# Altium PCB STM32_LQFP64_DEVELOPMENT_BOARD.PcbDoc
Units mil, origin at the board's own origin, x right, y up, seen from the top; angles counter-clockwise.
Board outline 3740.16 x 2362.2 mil, 2 copper layers (Top Layer, Bottom Layer); 60 components, 76 nets, 270 pads, 20 vias.
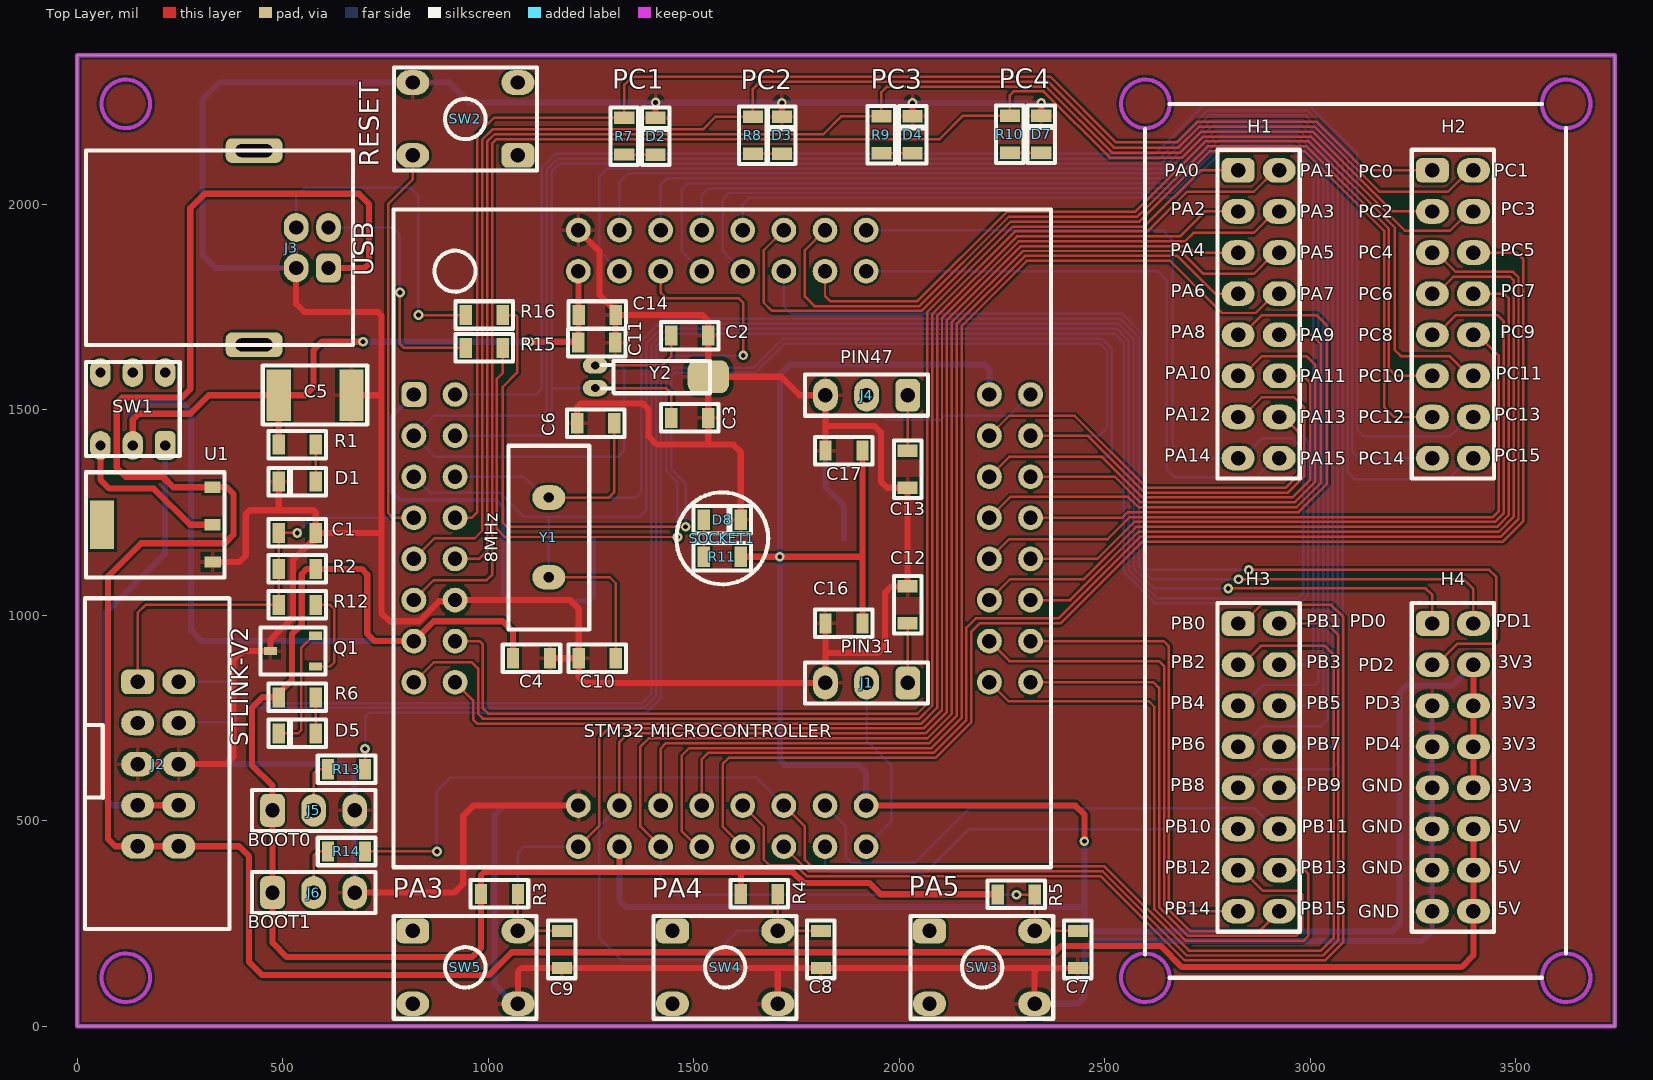
[diagram p0: Top Layer view]
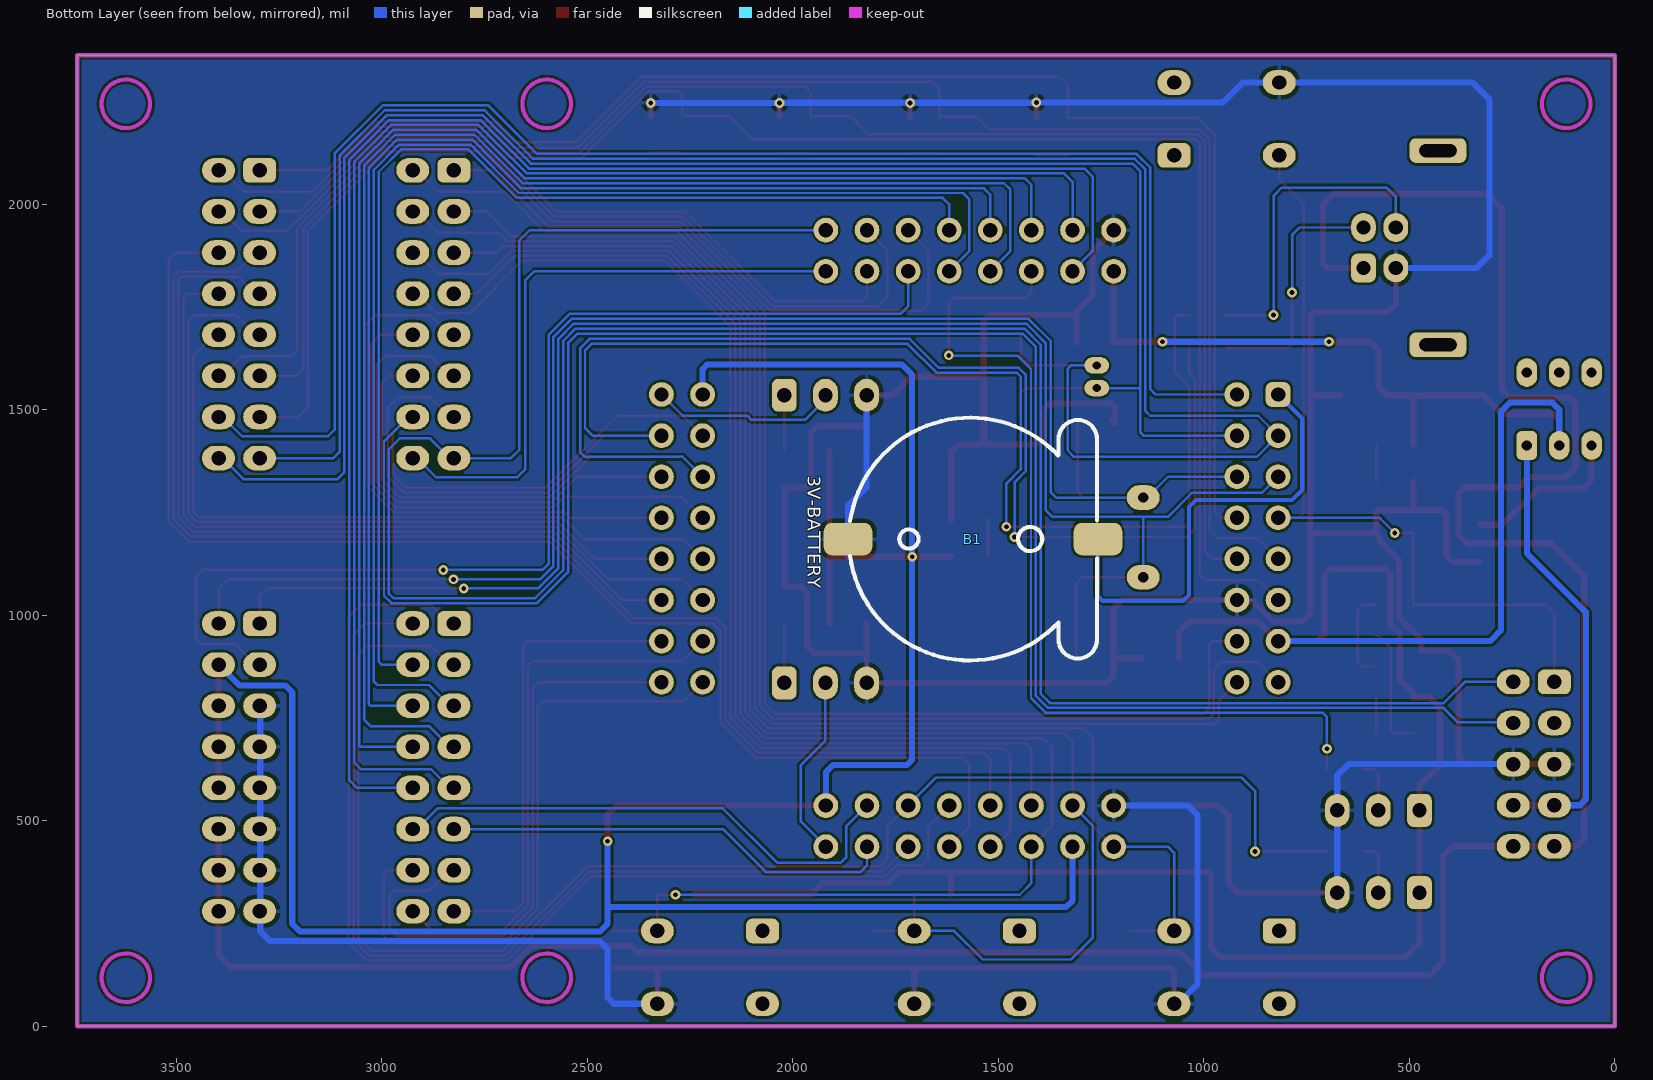
[diagram p1: Bottom Layer view, seen from below]

## Layer stack, top to bottom
Top Solder: solder mask 0.4, Solder Resist, Dk 3.5
Top Layer: signal copper 1.4
Dielectric 1: dielectric 12.6, FR-4, Dk 4.8
Bottom Layer: signal copper 1.4
Bottom Solder: solder mask 0.4, Solder Resist, Dk 3.5

## Board outline
0,0 0,2362.2 3740.16,2362.2 3740.16,0

## Design rules (kind name [scope] priority, off if disabled: settings)
Clearance [All] p1: gap=5.91 ignorepadtopadclearanceinfootprint=FALSE
PolygonConnect [All] p1: connectstyle=Relief reliefconductorwidth=10 reliefentries=4 polygonreliefangle="90 Angle" airgapwidth=10
RoutingVias [All] p1: holewidth=11.81 width=23.62 viastyle="Through Hole" minholewidth=11.81 minwidth=23.62 maxholewidth=11.81 maxwidth=23.62
SolderMaskExpansion [All] p1: expansion=4 istentingtop=FALSE
Width [All] p1: maxlimit=15 minlimit=6 preferedwidth=6
30 further rules are at their usual default settings.

## Components (designator, comment, footprint, x,y, rotation, side; value= is the part's Value field where it differs from the comment)
B1 "3V-BATTERY" CR1220 1568.02,1185.28 r90 bottom
C1 "104" C0805 535.02,1200.28 r180 top
C2 "22p" C0805 1490.02,1680.28 r0 top
C3 "22p" C0805 1490.02,1480.28 r0 top
C4 "104" C0805 1105.02,895.28 r180 top
C5 "104" C1812 578.6,1535.28 r180 top
C6 "22p" C0805 1261.04,1467.11 r0 top
C7 "104" C0805 2434,187 r270 top
C8 "104" C0805 1809,187 r270 top
C9 "104" C0805 1179,187 r270 top
C10 "22p" C0805 1265.02,895.28 r0 top
C11 "104" C0805 1264.02,1663.28 r0 top
C12 "104" C0805 2020.02,1025.28 r270 top
C13 "104" C0805 2020.02,1355.28 r90 top
C14 "104" C0805 1265.02,1730.28 r180 top
C16 "104" C0805 1865.02,980.28 r0 top
C17 "104" C0805 1865.02,1400.28 r0 top
D1 "LED0805" L0805RED 535,1325 r180 top
D2 "PC1" L0805RED 1407.04,2165.11 r90 top
D3 "PC2" L0805RED 1714.02,2167.28 r90 top
D4 "PC3" L0805RED 2032.04,2169.11 r90 top
D5 "RESET" L0805RED 535.02,712.78 r180 top
D7 "PC4" L0805RED 2345.04,2170.11 r90 top
D8 "LED0805" L0805RED 1569.02,1232.28 r0 top
H1 "HEADER-MALE-DOUBLE" HEADER-MALE-DOUBLE-16PINS-2.54MM 2874.01,1732.28 r0 top
H2 "HEADER-MALE-DOUBLE" HEADER-MALE-DOUBLE-16PINS-2.54MM 3346.46,1732.28 r0 top
H3 "HEADER-MALE-DOUBLE" HEADER-MALE-DOUBLE-16PINS-2.54MM 2874.01,629.92 r0 top
H4 "HEADER-MALE-DOUBLE" HEADER-MALE-DOUBLE-16PINS-2.54MM 3346.46,629.92 r0 top
J1 "PIN31" HEADER-MALE-03PINS-2.54MM 2020.02,835.28 r180 top
J2 "STLINK-V2" IDC_CONNECTOR_10x2.54 196.85,637.8 r0 top
J3 "USB" USB-B-TYPE 571.75,1894.06 r0 top
J4 "PIN47" HEADER-MALE-03PINS-2.54MM 2020.02,1535.28 r180 top
J5 "BOOT0" HEADER-MALE-03PINS-2.54MM 475.02,525.28 r0 top
J6 "BOOT1" HEADER-MALE-03PINS-2.54MM 475.02,325.28 r0 top
Q1 "2N3906" SOT23-3 524.9,912.69 r90 top
R1 "10k" R0805 535,1415 r180 top
R2 "10k" R0805 535.02,1112.78 r180 top
R3 "10k" R0805 1026.97,322 r0 top
R4 "10k" R0805 1659,322 r0 top
R5 "10k" R0805 2284.04,321.11 r0 top
R6 "10k" R0805 535.02,800.28 r180 top
R7 "10k" R0805 1330.69,2165.64 r90 top
R8 "10k" R0805 1643.36,2167.64 r90 top
R9 "10k" R0805 1956.04,2168.64 r90 top
R10 "10k" R0805 2268.71,2170.11 r90 top
R11 "10k" R0805 1569.02,1142.28 r0 top
R12 "10k" R0805 535.02,1025.28 r0 top
R13 "10k" R0805 655.02,625.28 r0 top
R14 "10k" R0805 655.02,425.28 r0 top
R15 "10k" R0805 990.02,1650.28 r180 top
R16 "10k" R0805 990.02,1730.28 r180 top
SOCKET1 "STM32 MICROCONTROLLER" SOCKET-ADAPTER-OTQ-64-05-03 1569,1187 r0 top
SW1 "SWITCH" "SWITCH 5.8x5.8 6 PINS" 135.02,1501.7 r180 top
SW2 "RESET" BUTTON_HOLE_4.3mm 944.02,2207.28 r270 top
SW3 "PA5" BUTTON_HOLE_4.3mm 2201.05,143.42 r90 top
SW4 "PA4" BUTTON_HOLE_4.3mm 1576.05,143.42 r90 top
SW5 "PA3" BUTTON_HOLE_4.3mm 944.02,143.42 r90 top
U1 "3V3" SOT223-3 192.87,1220 r90 top
Y1 "8MHz" HC-49_THROUGH 1147.02,1188.84 r270 top
Y2 "32.768" DT-26 1260.02,1580.28 r180 top

## Footprints (in the part's own frame and the unit in brackets; to place one, negate y for a bottom-side part, rotate by r counter-clockwise, add the part's x,y. Pads: shape width x height; smd on the part's side, far side on the other; paste and mask are expansions set on the pad)
BUTTON_HOLE_4.3mm [mil]
  rrect50% 60x80 hole 35: 1(88.58,127.95)
  oval 60x80 hole 35: 2(88.58,-127.95) 3(-88.58,127.95) 4(-88.58,-127.95)
  silkscreen extent -125,-173 125,174, body extent -118,-152 118,152, height 169
C0805 [mil]
  rect 30x48.82 smd: 1(-45,0) 2(45,0)
  silkscreen extent -70,-33 70,33, body extent -39,-24 39,24, height 39
C1812 [mm]
  rect 1.5x3.2 smd: 1(-2.25,0) 2(2.25,0)
  silkscreen extent -3.22,-1.82 3.23,1.81, body extent -2.25,-1.6 2.25,1.6, height 0.97
CR1220 [mm]
  rrect50% 2x3 smd: 1(0,-7.9) 2(0,7.55)
  silkscreen extent -7.5,-7.84 7.5,7.43, body extent -7.5,-9.43 7.5,9.07, height 4.04
DT-26 [mil]
  oval 60x40 hole 20: 1(0,27.56) 2(0,-27.56)
  rrect50% 100x80 smd: 3(-275,0)
  silkscreen extent -279,-38 -15,40, body extent -275,-39 6,39, height 79
HC-49_THROUGH [mil]
  oval 60x80 hole 25: 1(-97.44,0) 2(96.46,0)
  silkscreen extent -223,-98 223,98, body extent -223,-98 223,98, height 145
HEADER-MALE-03PINS-2.54MM [mil]
  rrect50% 60x80 hole 35: 1(0,0)
  oval 60x80 hole 35: 2(100,0) 3(200,0)
  silkscreen extent -50,-50 250,50, body extent -50,-50 250,50, height 350
HEADER-MALE-DOUBLE-16PINS-2.54MM [mil]
  rrect50% 80x60 hole 35: 1(-50,350)
  oval 80x60 hole 35: 2(50,350) 3(-50,250) 4(50,250) 5(-50,150) 6(50,150) 7(-50,50) 8(50,50) 9(-50,-50) 10(50,-50) 11(-50,-150) 12(50,-150) 13(-50,-250) 14(50,-250) 15(-50,-350) 16(50,-350)
  silkscreen extent -100,-400 100,400, body extent -100,-400 100,400, height 350
IDC_CONNECTOR_10x2.54 [mil]
  rrect50% 80x60 hole 35: 1(-50,200)
  oval 80x60 hole 35: 2(50,200) 3(-50,100) 4(50,100) 5(-50,0) 6(50,0) 7(-50,-100) 8(50,-100) 9(-50,-200) 10(50,-200)
  silkscreen extent -178,-402 173,404, body extent -177,-404 173,404, height 122
L0805RED [mil]
  rect 30x48.82 smd: 1(-45,0) 2(45,0)
  silkscreen extent -70,-35 70,35, body extent -39,-25 39,25, height 43
R0805 [mil]
  rect 30x48.82 smd: 1(-45,0) 2(45,0)
  silkscreen extent -70,-33 70,33, body extent -39,-25 40,25, height 18
SOCKET-ADAPTER-OTQ-64-05-03 [mil]
  rrect50% 60x60 hole 35: 1(-750,350)
  round 60 hole 35: 2(-650,350) 3(-750,250) 4(-650,250) 5(-750,150) 6(-650,150) 7(-750,50) 8(-650,50) 9(-750,-50) 10(-650,-50) 11(-750,-150) 12(-650,-150) 13(-750,-250) 14(-650,-250) 15(-750,-350) 16(-650,-350) 17(-350,-750) 18(-350,-650) 19(-250,-750) 20(-250,-650) 21(-150,-750) 22(-150,-650) 23(-50,-750) 24(-50,-650) 25(50,-750) 26(50,-650) 27(150,-750) 28(150,-650) 29(250,-750) 30(250,-650) 31(350,-750) 32(350,-650) 33(750,-350) 34(650,-350) 35(750,-250) 36(650,-250) 37(750,-150) 38(650,-150) 39(750,-50) 40(650,-50) 41(750,50) 42(650,50) 43(750,150) 44(650,150) 45(750,250) 46(650,250) 47(750,350) 48(650,350) 49(350,750) 50(350,650) 51(250,750) 52(250,650) 53(150,750) 54(150,650) 55(50,750) 56(50,650) 57(-50,750) 58(-50,650) 59(-150,750) 60(-150,650) 61(-250,750) 62(-250,650) 63(-350,750) 64(-350,650)
  silkscreen extent -800,-800 800,800, body extent -800,-800 800,800, height 374
SOT23-3 [mm]
  rect 0.5x0.8 smd: 1(-0.95,-1.4) 2(0.95,-1.4) 3(0,1.4)
  silkscreen extent -1.45,-2 1.45,2, body extent -1.45,-1.4 1.45,1.4, height 1.3
SOT223-3 [mm]
  rect 0.7x1 smd: 1(-2.3,-3.475) 2(0,-3.45) 3(2.325,-3.45)
  rect 3x1.5 smd: 4(0,3.375)
  silkscreen extent -3.25,-4.2 3.25,4.35, body extent -3.25,-3.5 3.25,3.5, height 1.7
"SWITCH 5.8x5.8 6 PINS" [mm]
  rrect50% 1.27x1.778 hole 0.635: 1(-2,2.25)
  oval 1.27x1.778 hole 0.635: 2(0,2.25) 3(2,2.25) 4(2,-2.25) 5(0,-2.25) 6(-2,-2.25)
  silkscreen extent -2.9,-2.9 2.9,2.9, body extent -2.9,-2.9 2.9,2.9, height 10
USB-B-TYPE [mm]
  rrect50% 1.524x1.778 hole 0.889: 1(1,-1.25)
  oval 1.524x1.778 hole 0.889: 2(1,1.25) 3(-1,1.25) 4(-1,-1.25)
  rrect50% 3.5x1.524 hole 0.8 slot 2.3 at 0 deg: S1(-3.6,6) S2(-3.6,-6)
  silkscreen extent -13.98,-6 2.52,6, body extent -13.97,-7.42 2.53,7.37, height 11

## Part data
B1: library part Batery
C1 C2 C3 C4 C5 C6 C7 C8 C9 C10 C11 C12 C13 C14 C16 C17: library part Capacitors(SMD)
D2 D3 D4 D5 D7: library part LED0805
H1 H2 H3 H4: library part HEADER-MALE-DOUBLE-16PINS-2.54MM
J1 J4 J5 J6: library part HEADER-MALE-03PINS-2.54MM
J2: library part IDC_2.54_5x2
J3: library part "USB B Type"
Q1: library part "Transistor-2N3906 (SOT-23)"
R1 R2 R3 R4 R5 R6 R7 R8 R9 R10 R11 R12 R13 R14 R15 R16: library part Resistors-SMD
SOCKET1: library part Mcu-SOCKET-ADAPTER-OTQ-64-05-03
SW1: library part SWITCH-DPDT
SW2 SW3 SW4 SW5: library part "Button Hole"
U1: library part Ic-AMS1117(SOT-223)
Y1: library part Crystal
Y2: library part "Crystal 32.768KHz"

## Via types
v1: diameter 23.62, hole 11.81, Top Layer to Bottom Layer, tented both sides, 20 vias

## Nets (pads, with @x,y where several pads share a name; then routed paths per layer and width w, separated by ;. In a path a pad name is that pad's centre, name@x,y a point inside that pad or via, vN(x,y) a via of type N, cw(c..) or ccw(c..) an arc to the next point about the centre after c; other vN are vias at no path point)
3V3: J2.7 J2.8 SW1.1 | length 1103.2
  Top Layer w15: J2.7 J2.8
  Bottom Layer w15: J2.7 84.5,537.8 70.02,552.28 70.02,1007.28 213.76,1151.02 SW1.1
5V: H4.12 H4.14 H4.16 J2.9 J2.10 J3.1 U1.3 | length 6874.1
  Top Layer w15: J3.1 699.58,1844.85 710.02,1855.28 710.02,2000.28 685.02,2025.28 310.02,2025.28 275.02,1990.28 275.02,1550.28 254.02,1529.28 109.02,1529.28 96.02,1516.28 96.02,1359.28 119.02,1336.28 208.53,1336.28 233.28,1311.54 U1.3 363.76,1311.54 380.02,1295.28 380.02,1195.28 360.02,1175.28 155.02,1175.28 75.02,1095.28 75.02,455.28 92.5,437.8 J2.9 J2.10 393.5,437.8 418.02,413.28 418.02,156.38 450.02,124.38 1001.11,124.38 1057.02,180.28 2378.02,180.28 2393.3,195.57 2635.73,195.57 2687.42,143.88 3367.61,143.88 3396.46,172.72 H4.16 H4.14 H4.12
BOOT0: R13.2 SOCKET1.60 | length 2273.5
  Top Layer w6: R13.2 v1(700.02,675.28) ; SOCKET1.60 1419,1785.3 1433.02,1771.28 1609.02,1771.28 1620.27,1760.03 v1(1620.27,1632.21)
  Bottom Layer w6: v1(700.02,675.28) 700.02,752.47 710.02,762.47 1383.88,762.47 1420.02,798.61 1420.02,1599.28 1452.52,1631.78 1620.52,1631.78 1620.94,1632.21 v1(1620.27,1632.21)
GND: B1.2 C1.1 C2.2 C3.2 C4.1 C5.1 C6.1 C7.2 C8.2 C9.2 C10.1 C11.2 C12.1 C13.1 C14.1 C16.1 C17.1 D1.2 D2.2 D3.2 D4.2 D7.2 D8.2 H4.5 H4.7 H4.9 H4.11 H4.13 H4.15 J1.3 J2.5 J2.6 J3.4 J4.3 J5.3 J6.3 Q1.3 SOCKET1.12 SOCKET1.18 SOCKET1.63 SW2.4 SW3.4 SW4.4 SW5.4 U1.1 Y2.3 | length 15692.7
  Top Layer w15: J2.5 J2.6 362.53,637.8 380.02,655.28 380.02,890.28 402.42,912.69 Q1.3 469.78,940.05 525.02,995.28 525.02,1135.28 572.52,1182.78 572.52,1192.78 C1.1 ; U1.1 394.18,1129.45 410.02,1145.28 410.02,1245.28 420.02,1255.28 490.02,1255.28 ; D1.2 490,1255.3 ; J3.4 532.38,1757.92 552.52,1737.78 731.23,1737.78 740.02,1729 740.02,1535.28 ; C5.1 740.02,1535.28 ; J6.3 917.02,325.28 939.02,347.28 939.02,512.28 963.73,537 SOCKET1.18 ; SW5.4 1071.97,132.24 1081.73,142 C9.2 C8.2 2336.73,142 ; C4.1 C10.1 ; SOCKET1.63 1270.02,1885.98 1270.02,1779.69 1310.02,1739.69 C14.1 ; C6.1@1222.89,1473.96 C6.1 1216.04,1506.31 1225.02,1515.28 1375.02,1515.28 1380.01,1510.29 1390.02,1500.28 1390.02,1435.28 1410.02,1415.28 1535.02,1415.28 ; C11.2 1309.02,1729.28 C14.1 ; D2.2 v1(1407.02,2247.28) ; D8.2 1614.02,1397.28 1596.02,1415.28 1535.02,1415.28 ; SW4.4 1704,141.28 ; D3.2 v1(1714.02,2246.28) ; C16.1 1820.02,907.78 ; C17.1 1820.02,1460.28 ; 1947.52,907.78 1820.02,907.78 ; 1947.53,907.77 1965.02,925.25 1965.02,1055.28 1980.02,1070.28 C12.1 C13.1 1970.02,1310.28 1955.02,1325.28 1955.02,1445.28 1940.02,1460.28 1820.02,1460.28 ; D4.2 v1(2032.02,2246.28) ; SW3.4 2329,134.27 2336.73,142 ; D7.2 v1(2345.02,2246.28) ; C7.2 2336.73,142 ; 490.02,1255.28 575.02,1255.28 580.02,1250.28 C1.1 ; C1.1 740.02,1200.28 ; 740.02,1200.28 740.02,1005.28 760.02,985.28 831.34,985.28 880,1033.94 915.94,1033.94 SOCKET1.12 1043.73,1037 1044.02,1037.28 1198.02,1037.28 1220.02,1015.28 C10.1 ; 740.02,1200.28 740.02,1535.28 ; C10.1 1220.02,850.28 1235.02,835.28 J1.3 1820.02,907.78 ; C14.1 1521.02,1730.28 1535.02,1716.28 C2.2 Y2.3 ; 1535.02,1415.28 C3.2 Y2.3 ; Y2.3 1712.02,1580.28 1757.02,1535.28 J4.3 1820.02,1460.28
  Bottom Layer w15: J2.6 647.5,637.8 675.02,610.28 J5.3 J6.3 ; J3.4 335.45,1844.85 305.02,1875.28 305.02,2255.28 345.6,2295.87 SW2.4 904.43,2295.87 953.02,2247.28 v1(1407.02,2247.28) 1407.52,2246.78 2031.52,2246.78 v1(2032.02,2246.28) v1(2345.02,2246.28) ; SW5.4 1061.97,54.83 1015.02,101.79 1015.02,514.28 1037.73,537 SOCKET1.18 ; J4.3 1820.02,1311.28 1865.26,1266.04 B1.2 ; SW3.4 2434.57,54.83 2450.02,70.28 2450.02,187.78 2469.52,207.28 3271.02,207.28 3295.02,231.28 3295.02,279.92 3295.02,379.92 3295.02,479.92 3295.02,579.92 3295.02,679.92 3295.02,778.48 H4.5
NetC12_2: C12.2 J1.1 | length 145
  Top Layer w6: J1.1 C12.2
NetC13_2: C13.2 J4.1 | length 135
  Top Layer w6: C13.2 J4.1
NetD1_1: D1.1 R1.1 | length 90
  Top Layer w6: D1.1 R1.1
NetD2_1: D2.1 R7.1 | length 76.6
  Top Layer w6: R7.1 1331.22,2120.11 D2.1
NetD3_1: D3.1 R8.1 | length 70.8
  Top Layer w6: R8.1 1643.72,2122.28 D3.1
NetD4_1: D4.1 R9.1 | length 76.2
  Top Layer w6: R9.1 2031.57,2123.64 D4.1
NetD5_1: D5.1 R6.1 | length 87.5
  Top Layer w6: D5.1 R6.1
NetD5_2: D5.2 Q1.2 | length 305.9
  Top Layer w6: D5.2 532.52,712.78 ; 532.53,712.77 537.5,712.77 544.66,719.93 544.66,920.64 574.11,950.09 Q1.2
NetD7_1: D7.1 R10.1 | length 76.3
  Top Layer w6: R10.1 D7.1
NetD8_1: D8.1 R11.1 | length 90
  Top Layer w6: R11.1 D8.1
NetJ3_2: J3.2 R15.2 | length 610.5
  Top Layer w6: v1(785.02,1785.28) 785.02,1660.28 795.02,1650.28 R15.2
  Bottom Layer w6: J3.2 767.02,1943.28 785.02,1925.28 v1(785.02,1785.28)
NetJ3_3: J3.3 R16.2 | length 799.7
  Top Layer w6: v1(830.02,1730.28) R16.2 R16.2@950.02,1730.28
  Bottom Layer w6: J3.3 532.38,2017.65 555.02,2040.28 810.02,2040.28 830.02,2020.28 v1(830.02,1730.28)
NetJ5_2: J5.2 R13.1 | length 129.1
  Top Layer w6: J5.2 575.02,615.28 585.02,625.28 R13.1
NetJ6_2: J6.2 R14.1 | length 129.1
  Top Layer w6: J6.2 575.02,415.28 585.02,425.28 R14.1
NetQ1_1: Q1.1 R12.2 | length 228.3
  Top Layer w6: Q1.1 615.02,875.28 625.02,885.28 625.02,1015.28 615.02,1025.28 R12.2
NetSW1_3: SW1.3 U1.2 | length 401.1
  Top Layer w15: SW1.3 56.28,1329.99 77.99,1308.28 186.02,1308.28 274.3,1220 U1.2
PA0: H1.1 SOCKET1.14 | length 3174.8
  Top Layer w6: SOCKET1.14 978.3,937 986.92,928.38 986.92,773.38 1000.02,760.28 2043.48,760.28 2067.87,784.67 2067.87,1737.62 2275.81,1945.57 2595.3,1945.57 2732.02,2082.28 H1.1
PA1: H1.2 SOCKET1.15 | length 3356.9
  Top Layer w6: SOCKET1.15 867.28,885.28 960.02,885.28 975.02,870.28 975.02,760.28 986.92,748.38 2048.42,748.38 2079.77,779.74 2079.77,1732.69 2280.74,1933.66 2603.39,1933.66 2700.02,2030.28 2862.02,2030.28 2914.02,2082.28 H1.2
PA2: H1.3 SOCKET1.16 | length 3048.5
  Top Layer w6: SOCKET1.16 963.11,792.89 963.11,745.88 972.52,736.47 2053.35,736.47 2091.68,774.8 2091.68,1727.76 2285.67,1921.76 2682.49,1921.76 2743.02,1982.28 H1.3
PA3: C9.1 H1.4 R3.2 SOCKET1.17 SW5.2 | length 3569.1
  Top Layer w6: R3.2 SW5.2 C9.1 ; SOCKET1.17 1270.02,488.01 1270.02,702.28 1292.3,724.57 2058.28,724.57 2103.58,769.87 2103.58,1722.83 2290.6,1909.85 2694.58,1909.85 2715.02,1930.28 2862.02,1930.28 2914.02,1982.28 H1.4
  Bottom Layer w6: SW5.2 1071.97,421.97 1087,437 SOCKET1.17
PA4: C8.1 H1.5 R4.2 SOCKET1.20 SW4.2 | length 3745.9
  Top Layer w6: SOCKET1.20 1319,691.64 1340.02,712.66 2063.21,712.66 2115.49,764.94 2115.49,1717.9 2295.54,1897.95 2702.35,1897.95 2718.02,1882.28 H1.5 ; R4.2 SW4.2 C8.1
  Bottom Layer w6: SOCKET1.20 1270,488.01 1270,215 1322.5,162.5 1537.5,162.5 1607,232 SW4.2
PA5: C7.1 H1.6 R5.2 SOCKET1.21 SW3.2 | length 4124.7
  Top Layer w6: SOCKET1.21 1370.02,485.98 1370.02,680.28 1390.49,700.76 2068.14,700.76 2127.39,760.01 2127.39,1712.97 2300.47,1886.04 2684.26,1886.04 2740.02,1830.28 2862.02,1830.28 2914.02,1882.28 H1.6 ; v1(2285,320) 2327.93,320 R5.2 SW3.2 C7.1
  Bottom Layer w6: SOCKET1.21 1419,348.5 1447.5,320 v1(2285,320)
PA6: H1.7 SOCKET1.22 | length 2636.2
  Top Layer w6: SOCKET1.22 1419,675.28 1432.56,688.85 2073.07,688.85 2139.3,755.08 2139.3,1708.04 2305.4,1874.13 2676.17,1874.13 2768.02,1782.28 H1.7
PA7: H1.8 SOCKET1.23 | length 2830.8
  Top Layer w6: SOCKET1.23 1508.3,437 1470.02,475.28 1470.02,658.28 1488.68,676.95 2078,676.95 2151.2,750.15 2151.2,1703.1 2310.33,1862.23 2658.07,1862.23 2785.02,1735.28 2867.02,1735.28 2914.02,1782.28 H1.8
PA8: H1.9 SOCKET1.41 | length 1387.1
  Top Layer w6: SOCKET1.41 2541.73,1237 2555.49,1250.76 2971,1250.76 3040.02,1319.77 3040.02,1705.28 3015.02,1730.28 2882.02,1730.28 2834.02,1682.28 H1.9
PA9: H1.10 SOCKET1.42 | length 1310.7
  Top Layer w6: SOCKET1.42 2269.78,1287.78 2556.49,1287.78 2581.62,1262.66 2966.07,1262.66 3025.02,1321.61 3025.02,1660.28 3003.02,1682.28 H1.10
PA10: H1.11 SOCKET1.43 | length 1239.7
  Top Layer w6: SOCKET1.43 2524.12,1337 2586.55,1274.57 2961.14,1274.57 3011.92,1325.35 3011.92,1608.38 2990.02,1630.28 2882.02,1630.28 2834.02,1582.28 H1.11
PA11: H1.12 R15.1 SOCKET1.44 | length 4192.2
  Top Layer w6: R15.1 1035.02,1589.38 1020.92,1575.28 1020.92,1209.38 1040.02,1190.28 v1(1460.02,1190.28) ; SOCKET1.44 2267.28,1385.28 2492.67,1385.28 2591.48,1286.47 2956.2,1286.47 3000.02,1330.28 3000.02,1565.28 2983.02,1582.28 H1.12 H1.12@2914.02,1582.28
  Bottom Layer w6: v1(1460.02,1190.28) 1459.3,1191 1459.3,1324.09 1433.11,1350.28 1433.11,1585.22 1450.08,1602.19 1645.08,1602.19 1715.08,1672.19 2493.98,1672.19 2516.92,1649.25 2516.92,1397.19 2505.02,1385.28 2267.28,1385.28 SOCKET1.44
PA12: H1.13 R16.1 SOCKET1.45 | length 3961.4
  Top Layer w6: R16.1 1066.5,1730.28 1070.02,1726.77 1070.02,1590.28 1035.02,1555.28 1035.02,1225.28 1045.02,1215.28 v1(1480.02,1215.28) ; SOCKET1.45 2457.79,1437 2596.41,1298.38 2944.95,1298.38 2985.02,1338.45 2985.02,1504.97 2959.7,1530.28 2882.02,1530.28 2834.02,1482.28 H1.13
  Bottom Layer w6: v1(1480.02,1215.28) 1480.02,1320.28 1445.02,1355.28 1445.02,1580.28 1455.02,1590.28 1650.02,1590.28 1720.02,1660.28 2489.05,1660.28 2505.02,1644.31 2505.02,1455.28 2486.73,1437 SOCKET1.45
PA13: H1.14 J2.4 SOCKET1.46 | length 5738
  Top Layer w6: SOCKET1.46 2267.28,1485.28 2426.34,1485.28 2601.34,1310.28 2940.02,1310.28 2973.11,1343.38 2973.11,1443.19 2934.02,1482.28 H1.14
  Bottom Layer w6: J2.4 248.34,739.28 381.02,739.28 416.11,774.38 1378.95,774.38 1408.11,803.54 1408.11,1652.87 1440.53,1685.28 2523.02,1685.28 2546.02,1662.28 2546.02,1104.94 2621.67,1029.28 2907.02,1029.28 2975.85,1029.28 2994.02,1047.45 2994.02,1116.28 2994.02,1422.28 2934.02,1482.28 H1.14
PA14: H1.15 J2.2 SOCKET1.49 | length 6207.6
  Bottom Layer w6: J2.2 364.51,837.79 416.02,786.28 1374.02,786.28 1396.2,808.47 1396.2,1657.8 1435.6,1697.19 2527.95,1697.19 2557.92,1667.22 2557.92,1109.87 2626.6,1041.19 2970.92,1041.19 2982.11,1052.38 2982.11,1403.84 2955.66,1430.28 2882.02,1430.28 2834.02,1382.28 H1.15 2685.02,1382.28 2665.02,1402.28 2665.02,1911.28 2639.3,1937 SOCKET1.49
PA15: H1.16 SOCKET1.50 | length 1511.8
  Top Layer w6: H1.16@2914.02,1382.28 H1.16
  Bottom Layer w6: SOCKET1.50 2628.3,1837 2650.02,1815.28 2650.02,1355.28 2670.02,1335.28 2867.02,1335.28 2914.02,1382.28 H1.16
PB0: H3.1 SOCKET1.26 | length 2760.2
  Top Layer w6: SOCKET1.26 1670.02,485.98 1670.02,405.28 1683.61,391.69 1747.61,391.69 1774.02,365.28 2489.22,365.28 2694.22,160.28 3035.02,160.28 3080.02,205.28 3080.02,995.28 3050.02,1025.28 2879.38,1025.28 2834.02,979.92 H3.1
PB1: H3.2 SOCKET1.27 | length 2372.1
  Top Layer w6: SOCKET1.27 1753.81,402.19 1753.95,402.19 1778.95,377.19 2494.15,377.19 2699.15,172.19 3030.08,172.19 3068.11,210.22 3068.11,952.19 3040.38,979.92 H3.2
PB2: H3.3 R14.2 SOCKET1.28 | length 3700.2
  Top Layer w6: R14.2 710.02,425.28 865.02,425.28 v1(875.02,425.28) ; SOCKET1.28 1770.02,485.98 1770.02,405.28 1786.2,389.1 2499.08,389.1 2704.08,184.09 3025.15,184.09 3056.2,215.15 3056.2,904.1 3035.02,925.28 2879.38,925.28 2834.02,879.92 H3.3
  Bottom Layer w6: v1(875.02,425.28) 875.02,572.28 908.02,605.28 1650.71,605.28 SOCKET1.28
PB3: H3.4 SOCKET1.55 | length 2805.7
  Bottom Layer w6: SOCKET1.55 1619,1999.27 1635.02,2015.28 2671.04,2015.28 2788.89,2133.13 2952.63,2133.13 3006.87,2078.9 3006.87,887.13 2999.65,879.92 H3.4
PB4: H3.5 SOCKET1.56 | length 3188.3
  Bottom Layer w6: SOCKET1.56 1570.02,1885.98 1570.02,2011.53 1585.68,2027.19 2666.11,2027.19 2783.96,2145.04 2957.56,2145.04 3018.77,2083.83 3018.77,839.04 3010.02,830.28 2884.38,830.28 2834.02,779.92 H3.5
PB5: H3.6 SOCKET1.57 | length 3094.4
  Bottom Layer w6: SOCKET1.57 1519,2022.27 1535.83,2039.1 2661.17,2039.1 2779.03,2156.95 2962.5,2156.95 3030.68,2088.76 3030.68,783.43 3027.16,779.92 H3.6
PB6: H3.7 SOCKET1.58 | length 3471.3
  Bottom Layer w6: SOCKET1.58 1470.02,1885.98 1470.02,2035.34 1485.68,2051 2656.24,2051 2774.09,2168.85 2967.43,2168.85 3042.58,2093.7 3042.58,746.01 3026.85,730.28 2884.38,730.28 2834.02,679.92 H3.7
PB7: H3.8 SOCKET1.59 | length 3382.2
  Bottom Layer w6: SOCKET1.59 1419,2047.27 1434.64,2062.91 2651.31,2062.91 2769.16,2180.76 2972.36,2180.76 3054.49,2098.63 3054.49,683.43 3050.97,679.92 H3.8
PB8: H3.9 SOCKET1.61 | length 3688.7
  Bottom Layer w6: SOCKET1.61 1319,2054.27 1339.54,2074.81 2646.38,2074.81 2764.23,2192.66 2977.29,2192.66 3066.39,2103.56 3066.39,641.66 3050.02,625.28 2879.38,625.28 2834.02,579.92 H3.9
PB9: H3.10 SOCKET1.62 | length 3827.5
  Bottom Layer w6: SOCKET1.62 1270.02,1885.98 1270.02,2067.28 1289.45,2086.72 2641.45,2086.72 2759.3,2204.57 2982.22,2204.57 3078.3,2108.49 3078.3,598.57 3059.65,579.92 H3.10
PB10: H3.11 SOCKET1.29 | length 1100.7
  Bottom Layer w6: SOCKET1.29 1819,391.3 1835.02,375.28 2065.02,375.28 2169.65,479.92 H3.11
PB11: H3.12 SOCKET1.30 | length 1282.5
  Bottom Layer w6: SOCKET1.30 1870.02,485.98 1870.02,410.28 1882.2,398.1 2037.83,398.1 2170.02,530.28 2863.65,530.28 2914.02,479.92 H3.12
PB12: H3.13 SOCKET1.33 | length 1501.1
  Top Layer w6: SOCKET1.33 2618,837 2631.92,823.08 2631.92,289.93 2702.04,219.81 2964.54,219.81 2980.02,235.28 2980.02,320.28 2970.02,330.28 2883.65,330.28 2834.02,379.92 H3.13
PB13: H3.14 SOCKET1.34 | length 1555.2
  Top Layer w6: SOCKET1.34 2265.37,790.64 2606.86,790.64 2620.02,777.48 2620.02,285 2697.11,207.91 2982.64,207.91 2995.02,220.28 2995.02,370.28 2985.38,379.92 H3.14
PB14: H3.15 SOCKET1.35 | length 1143
  Top Layer w6: SOCKET1.35 2643,937 2655.73,924.27 2655.73,299.79 2675.6,279.92 H3.15
PB15: H3.16 SOCKET1.36 | length 1357.6
  Top Layer w6: SOCKET1.36 2267.52,888.47 2631.53,888.47 2643.83,876.17 2643.83,294.86 2706.97,231.72 2875.81,231.72 H3.16
PC0: H2.1 R7.2 SOCKET1.8 | length 3541.9
  Top Layer w6: SOCKET1.8 958.73,1237 973.3,1251.57 973.3,2169.57 1014.37,2210.64 R7.2 1330.69,2289.96 1350.73,2310 2367.49,2310 2527.21,2150.28 2675.02,2150.28 2725.02,2200.28 3015.04,2200.28 3133.04,2082.28 H2.1
PC1: H2.2 R8.2 SOCKET1.9 | length 3830.2
  Top Layer w6: SOCKET1.9 869.28,1187.28 967.02,1187.28 985.21,1205.47 985.21,2143.15 985.21,2157.15 1010.15,2182.09 1024.15,2182.09 1521.83,2182.09 1552.37,2212.64 R8.2 1643.36,2280.63 1660.83,2298.09 2361.56,2298.09 2521.98,2137.67 2679.24,2137.67 2729.95,2188.38 3010.11,2188.38 3168.2,2030.28 3334.46,2030.28 3386.46,2082.28 H2.2
PC2: H2.3 R9.2 SOCKET1.10 | length 3639.5
  Top Layer w6: SOCKET1.10 977.73,1137 997.11,1156.38 997.11,2138.22 997.11,2152.22 1015.08,2170.19 1029.08,2170.19 1814.92,2170.19 1858.37,2213.64 R9.2 1956.04,2272.3 1969.92,2286.19 2355.95,2286.19 2516.85,2125.28 2683.69,2125.28 2734.88,2176.47 3005.17,2176.47 3199.36,1982.28 H2.3
PC3: H2.4 R10.2 SOCKET1.11 | length 3936.1
  Top Layer w6: SOCKET1.11 867.28,1085.28 996.02,1085.28 1009.02,1098.28 1009.02,2147.28 1020.02,2158.28 2098.02,2158.28 2155.02,2215.28 2268.54,2215.28 R10.2 2268.71,2264.98 2278.02,2274.28 2351.02,2274.28 2511.92,2113.38 2688.62,2113.38 2739.81,2164.57 3000.24,2164.57 3229.53,1935.28 3339.46,1935.28 3386.46,1982.28 H2.4
PC4: H2.5 SOCKET1.24 | length 3295.7
  Top Layer w6: SOCKET1.24 1519,649.26 1534.77,665.04 2082.94,665.04 2163.11,745.22 2163.11,969.59 2185.8,992.28 2387.18,992.28 2586.12,1191.23 3429.12,1191.23 3463.31,1191.23 3506.11,1234.03 3506.11,1268.22 3506.11,1822.19 3493.02,1835.28 3353.46,1835.28 3306.46,1882.28 H2.5
PC5: H2.6 SOCKET1.25 | length 3308
  Top Layer w6: SOCKET1.25 1570.02,485.98 1570.02,638.28 1584.87,653.13 2087.87,653.13 2175.02,740.28 2175.02,960.28 2195.02,980.28 2392.02,980.28 2591.06,1179.32 3434.06,1179.32 3468.24,1179.32 3518.02,1229.1 3518.02,1263.28 3518.02,1865.28 3501.02,1882.28 H2.6
PC6: H2.7 SOCKET1.37 | length 2053.3
  Top Layer w6: SOCKET1.37 2415.05,1037 2581.19,1203.13 3422.87,1203.13 3458.38,1203.13 3494.2,1238.96 3494.2,1274.47 3494.2,1815.19 3486.02,1823.38 3347.55,1823.38 3306.46,1782.28 H2.7
PC7: H2.8 SOCKET1.38 | length 1966.6
  Top Layer w6: SOCKET1.38 2269.78,1087.78 2449.01,1087.78 2576.26,1215.04 3417.94,1215.04 3453.45,1215.04 3482.3,1243.89 3482.3,1279.4 3482.3,1771 3471.02,1782.28 H2.8
PC8: H2.9 SOCKET1.39 | length 1864
  Top Layer w6: SOCKET1.39 2481.38,1137 2571.33,1226.95 3413,1226.95 3448.51,1226.95 3470.39,1248.83 3470.39,1284.34 3470.39,1714.91 3455.02,1730.28 3354.46,1730.28 3306.46,1682.28 H2.9
PC9: H2.10 SOCKET1.40 | length 1747.9
  Top Layer w6: SOCKET1.40 2267.28,1185.28 2506.85,1185.28 2560.42,1238.85 3443.58,1238.85 3458.49,1253.76 3458.49,1630.25 3406.46,1682.28 H2.10
PC10: H2.11 SOCKET1.51 | length 2309.9
  Top Layer w6: SOCKET1.51 1770.02,1888.01 1770.02,1775.28 1793.11,1752.19 2048.76,1752.19 2265.95,1969.38 2578.3,1969.38 2585.06,1976.14 2585.87,1976.14 2750.49,2140.76 2990.38,2140.76 3190.87,1940.26 3190.87,1599.43 3208.02,1582.28 H2.11
PC11: H2.12 SOCKET1.52 | length 2214.8
  Top Layer w6: SOCKET1.52 1819,1776.3 1831.2,1764.1 2043.83,1764.1 2261.02,1981.28 2573.36,1981.28 2744.74,2152.66 2995.31,2152.66 3205.02,1942.96 3205.02,1645.28 3220.02,1630.28 3338.46,1630.28 3386.46,1582.28 H2.12
PC12: H2.13 SOCKET1.53 | length 2511.8
  Top Layer w6: SOCKET1.53 1670.02,1888.01 1670.02,1760.28 1690.02,1740.28 2053.69,1740.28 2270.88,1957.47 2584.04,1957.47 2755.42,2128.85 2985.45,2128.85 3178.97,1935.33 3178.97,1506.33 3203.02,1482.28 H2.13
PC13: H2.14 SOCKET1.2 | length 3831.1
  Bottom Layer w6: SOCKET1.2 1116.73,1537 1130.02,1550.28 1130.02,2089.28 1163.17,2122.43 2622.17,2122.43 2740.02,2240.28 2997.02,2240.28 3114.02,2123.28 3114.02,1451.28 3130.02,1435.28 3339.46,1435.28 3386.46,1482.28 H2.14
PC14: C2.1 H2.15 SOCKET1.3 Y2.2 | length 4979.1
  Top Layer w6: Y2.2 1422.58,1607.84 1445.02,1630.28 C2.1
  Bottom Layer w6: Y2.2 1322.46,1607.84 1331.11,1599.19 1331.11,1401.38 1315.02,1385.28 870.72,1385.28 SOCKET1.3 867.28,1485.28 1130.02,1485.28 1141.92,1497.19 1141.92,2084.35 1168.1,2110.53 2631.59,2110.53 2749.44,2228.38 2992.08,2228.38 3102.11,2118.35 3102.11,1397.19 3117.02,1382.28 H2.15
PC15: C3.1 H2.16 SOCKET1.4 Y2.1 | length 4364.9
  Top Layer w6: Y2.1 1432.58,1552.72 1445.02,1540.28 C3.1
  Bottom Layer w6: SOCKET1.4 1146.73,1437 1153.83,1444.1 1153.83,1552.72 ; Y2.1 1153.83,1552.72 ; H2.16 3386.46,1382.28 3335.46,1331.28 3107.02,1331.28 3090.2,1348.1 3090.2,2113.42 2987.15,2216.47 2754.37,2216.47 2636.52,2098.62 1173.03,2098.62 1153.83,2079.42 1153.83,1552.72
PD0: C10.2 H4.1 SOCKET1.5 Y1.2 | length 4118.4
  Top Layer w6: Y1.2 1295.41,1092.39 1310.02,1077.78 C10.2 ; v1(2800.02,1065.28) 3280.02,1065.28 3296.46,1048.84 H4.1
  Bottom Layer w6: SOCKET1.5 857.91,1298.1 1028.2,1298.1 1087.02,1239.28 1146.02,1239.28 ; Y1.2 1147.02,1238.28 1146.02,1239.28 ; v1(2800.02,1065.28) 2619.34,1065.28 2569.83,1114.8 2569.83,1672.15 2532.88,1709.1 1430.66,1709.1 1384.3,1662.73 1384.3,1256.28 1367.3,1239.28 1146.02,1239.28
PD1: C6.2 H4.2 SOCKET1.6 Y1.1 | length 3909.2
  Top Layer w6: Y1.1 1293.52,1286.28 1306.04,1298.81 C6.2 ; v1(2825.02,1087.19) 3373.11,1087.19 3396.46,1063.84 H4.2
  Bottom Layer w6: SOCKET1.6 1086.3,1337 1137.02,1286.28 Y1.1 1359.02,1286.28 1372.39,1299.66 1372.39,1667.66 1425.73,1721 2537.81,1721 2581.73,1677.08 2581.73,1119.73 2614.27,1087.19 v1(2825.02,1087.19)
PD2: H4.3 SOCKET1.54 | length 2750.6
  Top Layer w6: v1(2850.02,1110.28) 3435.02,1110.28 3452.52,1092.78 3452.52,942.78 3440.02,930.28 3356.82,930.28 3306.46,879.92 H4.3
  Bottom Layer w6: SOCKET1.54 1719,1751.3 1737.39,1732.91 2542.74,1732.91 2593.64,1682.01 2593.64,1124.66 2608.02,1110.28 v1(2850.02,1110.28)
PIN31: J1.2 SOCKET1.31 | length 448.4
  Bottom Layer w6: SOCKET1.31 1980.02,498.02 1980.02,635.28 1920.02,695.28 J1.2
PIN47: J4.2 SOCKET1.47 | length 455.3
  Bottom Layer w6: J4.2 1920.02,1525.28 1970.02,1475.28 2100.02,1475.28 2110.02,1485.28 2267.28,1485.28 SOCKET1.47
RESET: C1.2 J2.1 R2.2 R12.1 SOCKET1.7 SW2.2 | length 2000.7
  Top Layer w6: J2.1 146.85,1006.11 166.02,1025.28 R12.1 R2.2 C1.2 v1(535.02,1200.28) ; SW2.2 816.06,2060.28 756.42,2000.64 756.42,1248.88 768.3,1237 SOCKET1.7
  Bottom Layer w6: v1(535.02,1200.28) 571.73,1237 SOCKET1.7
VBAT: B1.1 SOCKET1.1 | length 1133.9
  Bottom Layer w10: SOCKET1.1 760.02,1478.02 760.02,1305.28 785.02,1280.28 1019.02,1280.28 1036.02,1263.28 1036.02,1049.28 1050.02,1035.28 1246.02,1035.28 1256.99,1046.26 B1.1
VCC: C4.2 C5.2 C11.1 C14.2 C16.2 C17.2 H4.4 H4.6 H4.8 H4.10 J5.1 J6.1 R1.2 R2.1 R3.1 R4.1 R5.1 R6.2 R11.2 SOCKET1.13 SOCKET1.19 SOCKET1.32 SOCKET1.48 SOCKET1.64 SW1.2 | length 13220.5
  Top Layer w15: SW1.2 135.02,1475.28 150.02,1490.28 275.02,1490.28 320.01,1535.28 C5.2 555.01,1535.28 575.02,1555.28 575.02,1645.28 595.02,1665.28 v1(695.02,1665.28) ; R1.2 487.72,1417.28 490,1419.57 C5.2 ; C4.2 1060.02,960.28 1035.02,985.28 867.28,985.28 SOCKET1.13 723.3,937 705.36,954.94 705.36,1099.03 691.61,1112.78 R2.1 558.52,1112.78 546.02,1100.28 546.02,977.28 522.02,953.28 522.02,841.69 490.02,809.69 R6.2 450.02,800.28 425.02,775.28 425.02,635.28 475.02,585.28 J5.1 J6.1 475.02,203.28 510.02,168.28 959.97,168.28 981.97,190.28 R3.1 981.97,367.24 990.02,375.28 1319,375.28 ; v1(1100.02,1665.28) 1217.02,1665.28 C11.1 1219.02,1731.28 SOCKET1.64 ; SOCKET1.19 1319,375.28 ; R4.1 1615.02,323.02 1615.02,375.28 ; R11.2 v1(1709.02,1142.28) 1910.02,1142.28 ; C16.2 1910.02,1142.28 ; C17.2 1910.02,1142.28 ; SOCKET1.32 2428.3,537 2450.02,515.28 v1(2450.02,450.28) ; R5.1 1954.19,321.11 1926.42,348.88 1767.22,348.88 1740.82,375.28 1615.02,375.28 ; H4.10 H4.8 H4.6 H4.4 ; 1319,375.28 1615.02,375.28
  Bottom Layer w15: SW1.2@135,1446.42 135,1500.27 152.02,1517.28 255.02,1517.28 277.02,1495.28 277.02,963.28 303.3,937 SOCKET1.13 ; v1(695.02,1665.28) v1(1100.02,1665.28) ; SOCKET1.19 1319,306 1335,290 2450.02,290 ; SOCKET1.32 1919,618.3 1902.02,635.28 1722.02,635.28 1709.31,647.99 1709.31,1585 1734.31,1610 2207.5,1610 2219,1598.5 SOCKET1.48 ; v1(2450.02,450.28) 2450.02,290 ; H4.6 H4.6@3406.46,779.92 ; H4.4 3345.82,829.28 3234.02,829.28 3217.02,812.28 3217.02,249.28 3198.02,230.28 2469.02,230.28 2450.02,249.28 2450.02,290
pads on no net: J2.3 J3.S1 J3.S2 SW1.4 SW1.5 SW1.6 SW2.1 SW2.3 SW3.1 SW3.3 SW4.1 SW4.3 SW5.1 SW5.3 U1.4

## Polygon pours and split planes (outlines as drawn)
GND on Top Layer "GND_L01_P000" (solid, pour order 0): 0,0 3740,0 3740,2362.5 0,2362.5
GND on Bottom Layer "GND_L02_P001" (solid, pour order 1): 0,0 3740,0 3740,2362.5 0,2362.5

## Keep-outs
Keep-Out Layer:
  circle w10: c118.11,2244.09 r59.06
  circle w10: c118.11,118.11 r59.06
  circle w10: c3622.05,118.11 r59.06
  circle w10: c3622.05,2244.09 r59.06
  circle w10: c2598.42,118.11 r59.06
  circle w10: c2598.42,2244.09 r59.06
  lines w10: 0,0 3740.16,0 3740.16,2362.2 0,2362.2 0,0

## Silkscreen, mask and mechanical layers (free items; w line width, h text height)
Top Overlay:
  lines w10: 2597.05,174.67 2597.05,2182.54 ; 2657.48,118.11 3562.99,118.11 ; 2657.48,2244.09 3562.99,2244.09 ; 3622.05,177.17 3622.05,2185.04
  text "PA0" at 2643.82,2055.72 h55
  text "PA1" at 2973.82,2055.72 h55
  text "PC1" at 3446.26,2055.72 h55
  text "PC0" at 3116.26,2053.72 h55
  text "PA2" at 2660.15,1962.61 h55
  text "PC3" at 3462.39,1962.36 h55
  text "PA3" at 2973.82,1955.72 h55
  text "PC2" at 3116.26,1955.72 h55
  text "PA4" at 2659.4,1862.61 h55
  text "PC5" at 3462.03,1862.36 h55
  text "PA5" at 2973.82,1855.72 h55
  text "PC4" at 3116.26,1855.72 h55
  text "PA6" at 2659.73,1762.61 h55
  text "PC7" at 3462.39,1762.36 h55
  text "PA7" at 2973.82,1755.72 h55
  text "PC6" at 3116.26,1755.72 h55
  text "PA8" at 2659.98,1662.61 h55
  text "PC9" at 3461.84,1662.36 h55
  text "PA9" at 2973.82,1655.72 h55
  text "PC8" at 3116.26,1655.72 h55
  text "PA10" at 2645.19,1562.61 h55
  text "PC11" at 3450.68,1562.36 h55
  text "PA11" at 2973.82,1555.72 h55
  text "PC10" at 3116.26,1555.72 h55
  text "PA12" at 2645.22,1462.61 h55
  text "PC13" at 3447.46,1462.36 h55
  text "PA13" at 2973.82,1455.72 h55
  text "PC12" at 3116.26,1455.72 h55
  text "PA14" at 2644.47,1362.61 h55
  text "PC15" at 3447.1,1362.36 h55
  text "PA15" at 2973.82,1355.72 h55
  text "PC14" at 3116.26,1355.72 h55
  text "PB1" at 2989.95,960.25 h55
  text "PD0" at 3095.35,960.05 h55
  text "PD1" at 3450.52,960.05 h55
  text "PB0" at 2660.12,953.35 h55
  text "PB2" at 2660.15,860.25 h55
  text "PB3" at 2989.95,860.25 h55
  text "3V3" at 3456.21,860.02 h55
  text "PD2" at 3116.26,853.35 h55
  text "PB4" at 2659.4,760.25 h55
  text "PB5" at 2989.59,760.25 h55
  text "PD3" at 3132.39,760.25 h55
  text "3V3" at 3464.03,760.25 h55
  text "PB6" at 2659.73,660.25 h55
  text "PB7" at 2989.95,660.25 h55
  text "PD4" at 3131.84,660.25 h55
  text "3V3" at 3464.03,660.25 h55
  text "PB8" at 2659.4,560.25 h55
  text "PB9" at 2989.4,560.25 h55
  text "GND" at 3124.46,560 h55
  text "3V3" at 3454.46,560 h55
  text "PB10" at 2645.19,460.25 h55
  text "PB11" at 2978.24,460.25 h55
  text "GND" at 3124.46,460 h55
  text "5V" at 3454.46,460 h55
  text "PB12" at 2645.22,360.25 h55
  text "PB13" at 2975.02,360.25 h55
  text "GND" at 3124.46,360 h55
  text "5V" at 3454.46,360 h55
  text "PB14" at 2644.47,260 h55
  text "PB15" at 2974.66,260.25 h55
  text "5V" at 3454.46,260 h55
  text "GND" at 3116.26,253.35 h55